# Altium PCB PCB1.PcbDoc (continued)
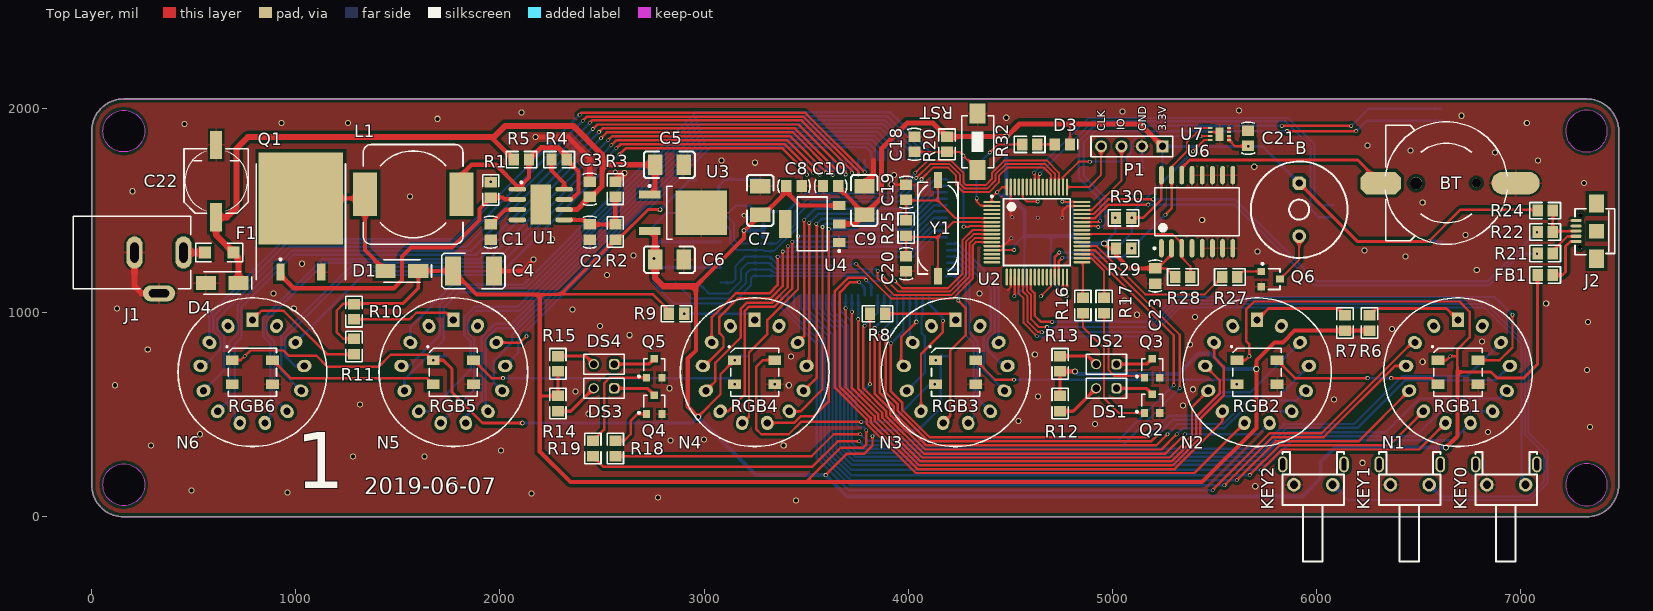
[diagram p0: Top Layer view]
## Nets (pads, with @x,y where several pads share a name; then routed paths per layer and width w, separated by ;. In a path a pad name is that pad's centre, name@x,y a point inside that pad or via, vN(x,y) a via of type N, cw(c..) or ccw(c..) an arc to the next point about the centre after c; other vN are vias at no path point) (continued)
HV_DIN2: R38.1 U2.9 U5.26 | length 1926
  Top Layer w10: v1(3875,1180) 3952,1103 4203,1103 4282,1182 4282,1347 4320.16,1385.16 U2.9
  Bottom Layer w10: R38.1 2937.6,1070 3130,1070 3205,1145 3205,1190 3227.6,1212.6 U5.26 3291.95,1211 3327,1211 3340,1198 3817,1198 3835,1180 v1(3875,1180)
HV_DIN3: R37.1 U2.10 U5.27 | length 1854.2
  Top Layer w10: v1(3850,1205) 3850,1168.19 3932.19,1086 4210.04,1086 4299,1174.96 4299,1339 4325.47,1365.47 U2.10
  Bottom Layer w10: R37.1 3022.6,1095 3120,1095 3180,1155 3180,1210 3214.09,1244.09 U5.27 3320.91,1244.09 3350,1215 3840,1215 v1(3850,1205)
HV_DIN4: R36.1 U2.11 U5.28 | length 1723
  Top Layer w10: v1(3745,1240) 3916,1069 4217.08,1069 4316,1167.92 4316,1331 4330.79,1345.79 U2.11
  Bottom Layer w10: R36.1 3137.6,1147.6 3155,1165 3155,1230 3200.59,1275.59 U5.28 3320.67,1275.59 3364.26,1232 3717,1232 3725,1240 v1(3745,1240)
HV_LE: R34.1 U2.53 U5.29 | length 2131.2
  Top Layer w10: v1(4065,1655) 4121,1711 4195.92,1711 4235,1671.92 4235,1626.92 4270.92,1591 4396,1591 4444,1639 4444,1670.5 4484.5,1711 4664.96,1711 4698.9,1677.06 U2.53
  Bottom Layer w10: R34.1 3112.6,1422.4 3130,1405 3130,1340 3162.91,1307.09 U5.29 3295.33,1302.11 3342.11,1302.11 3460,1420 3460,1480 3525,1545 3955,1545 v1(4065,1655)
HV_POL: R33.1 U2.51 U5.35 | length 2384.4
  Top Layer w10: v1(4035,1685) 4095,1745 4210,1745 4270,1685 4270,1640 4285,1625 4380,1625 4410,1655 4410,1684.58 4470.42,1745 4680,1745 4738.27,1686.73 U2.51
  Bottom Layer w10: R33.1 2816.23,1488.63 3118.63,1488.63 3155,1525 3225,1525 3253.94,1496.06 U5.35 3406.06,1496.06 3495,1585 3935,1585 v1(4035,1685)
KEY0: KEY0.1 U2.20 | length 3530.4
  Top Layer w10: U2.20 4541,1174.11 4541,1094 4565,1070 4565,950 v1(4630,885)
  Bottom Layer w10: v1(4630,885) 4631,884 5189,884 5330,1025 6825,1025 7005,845 7005,176.61 KEY0.1
KEY1: KEY1.1 U2.21 | length 4156.7
  Top Layer w10: U2.21 4561.1,1103.9 4585,1080 4585,955 4634,906 4654,906 v1(4655,905)
  Bottom Layer w10: v1(4655,905) 5185,905 5322,1042 6833,1042 7022,853 7022,402.76 7114.76,310 7114.76,174.76 7040,100 6609.17,100 KEY1.1
KEY2: KEY2.1 U2.22 | length 4654.2
  Top Layer w10: U2.22 4580.79,1108.25 4602,1087.04 4602,968 4640,930 v1(4680,930)
  Bottom Layer w10: v1(4680,930) 5185,930 5314,1059 6841,1059 7039,861 7039,411 7131.76,318.24 7131.76,166.76 7048,83 6153.73,83 KEY2.1
LED: R32.1 U2.2 | length 524.8
  Top Layer w10: v1(4335,1560) 4335,1545 4355.27,1524.73 4407.75,1524.73 U2.2 ; v1(4400,1785) 4440,1825 R32.1
  Bottom Layer w10: v1(4335,1560) 4335,1720 v1(4400,1785)
LED_RGB: RGB1.4 U2.23 | length 2991.7
  Top Layer w12: U2.23 4599.69,1173.75 4599.69,1114.8 4620,1094.5 4620,985 4650,955 v1(4705,955) ; RGB1.4 6897.72,767.72 6960,830 v1(6960,990)
  Bottom Layer w12: v1(4705,955) 5184.54,955 5306.54,1077 6873,1077 v1(6960,990)
NetB_2: B.2 Q6.3 | length 248.9
  Top Layer w10: Q6.3 5915,1258.74 B.2
NetBT_1: BT.1 U6.14 | length 1073.8
  Top Layer w15: U6.14 5340,1710 5378.41,1748.41 6201.59,1748.41 BT.1
NetC1_2: C1.2 U1.3 | length 160.6
  Top Layer w20: C1.2 2027.6,1505 U1.3
NetC2_2: C2.2 R2.2 R3.2 U1.5 | length 395.1
  Top Layer w20: U1.5 2417.4,1455 C2.2 R2.2 R3.2
NetD1_1: D1.1 L1.2 Q1.2 | length 739
  Top Layer w20: Q1.2 1318.78,1560 L1.2 1338.78,1306.22 D1.1
NetD2_2: D2.2 R31.2 U5.40 | length 308.9
  Bottom Layer w15: D2.2 3070.8,1620.79 R31.2 ; R31.2@3103.54,1653.54 U5.40
NetD3_1: D3.1 R32.2 | length 85.2
  Top Layer w10: R32.2 D3.1
NetDS1_1: DS1.1 Q2.3 | length 186.4
  Top Layer w15: DS1.1 5166.34,629.92 Q2.3
NetDS1_2: DS1.2 R12.2 | length 222.9
  Top Layer w15: R12.2 4808.15,517.6 DS1.2
NetDS2_1: DS2.1 Q3.3 | length 185.5
  Top Layer w15: DS2.1 5168.42,748.03 Q3.3
NetDS2_2: DS2.2 R13.2 | length 192.7
  Top Layer w15: R13.2 4881.1,787.4 DS2.2
NetDS3_1: DS3.1 Q4.3 | length 210
  Top Layer w15: DS3.1 2722.24,629.92 Q4.3
NetDS3_2: DS3.2 R14.1 | length 222.9
  Top Layer w15: R14.1 2347.52,517.6 DS3.2
NetDS4_1: DS4.1 Q5.3 | length 207.1
  Top Layer w15: DS4.1 2729.33,748.03 Q5.3
NetDS4_2: DS4.2 R15.2 | length 192.7
  Top Layer w15: R15.2 2420.47,787.4 DS4.2
NetF1_1: F1.1 J1.1 | length 105
  Top Layer w30: J1.1 F1.1
NetFB1_2: FB1.2 J2.1 | length 254.9
  Top Layer w15: FB1.2 7205,1185 7220,1200 7220,1325 7243.82,1348.82 J2.1
NetL1_1: L1.1 R4.2 R5.1 U1.1 U1.7 | length 1131.4
  Top Layer w20: L1.1 1811.22,1676.22 1860,1725 1980,1725 2085.51,1619.49 U1.1 2142.4,1661.89 R5.1 ; U1.7 2350,1555 2385,1590 2385,1692.4 R4.2
  Top Layer w25: R5.1 2202.4,1810 2285,1810 2327.4,1767.6 R4.2
NetN1_1: N1.1 R6.1 | length 469.8
  Top Layer w15: R6.1 6293.09,1020.49 6636.99,1020.49 N1.1
NetN2_1: N2.1 R7.1 | length 468.2
  Top Layer w15: N2.1 5764.59,1020.49 6106.91,1020.49 R7.1
NetN3_1: N3.1 R8.1 | length 357.5
  Top Layer w12: R8.1 4201.85,995 N3.1
NetN4_1: N4.1 R9.1 | length 358.2
  Bottom Layer w12: v1(2902.4,995) 3217.6,995 N4.1
NetN5_1: N5.1 R10.1 | length 514.8
  Top Layer w12: R10.1 1557.6,967.6 1590,1000 1736.22,1000 N5.1
NetN6_1: N6.1 R11.1 | length 604.4
  Top Layer w12: N6.1 832.83,1010 940,1010 1152.4,797.6 R11.1
NetQ1_1: Q1.1 R1.2 U1.2 | length 1488.5
  Top Layer w20: Q1.1 925,1185 990,1120 1480,1120 1520,1160 1520,1275 1565,1320 1765,1320 1900,1455 1900,1508.86 R1.2 1956.14,1565 2015,1565 2025,1555 U1.2
NetQ2_1: Q2.1 R16.2 | length 688.2
  Top Layer w10: R16.2 4855,930 4960,825 4960,580 5031.26,508.74 Q2.1
NetQ3_1: Q3.1 R17.2 | length 466.7
  Top Layer w10: R17.2 4960,860 4980,840 4980,720 5009.06,690.94 Q3.1@5148.74,690.94
NetQ4_1: Q4.1 R18.2 | length 246
  Top Layer w12: R18.2 2607.4,372.4 2640,405 2640,470 2673.74,503.74 Q4.1
NetQ5_1: Q5.1 R19.2 | length 524.6
  Top Layer w12: R19.2 2510,427.39 2510,654.13 2537.95,682.09 Q5.1
NetQ6_1: Q6.1 R27.2 | length 127.7
  Top Layer w10: R27.2 5639.8,1202.4 Q6.1
NetR4_1: R4.1 U1.8 | length 170.6
  Top Layer w20: R4.1 2252.6,1697.4 2314.49,1635.51 U1.8
NetR21_2: R21.2 U2.44 | length 2484.7
  Top Layer w12: U2.44 4915.77,1463.9 4981.87,1530 v1(5175,1530)
  Bottom Layer w12: v1(5175,1530) 5595,1530 5990,1135 6846.87,1135 7001.87,1290 v1(7080,1290)
NetR22_2: R22.2 U2.45 | length 2524.2
  Top Layer w12: U2.45 4908.58,1483.58 4980,1555 v1(5200,1555)
  Bottom Layer w12: v1(5200,1555) 5600,1555 6000,1155 6840,1155 v1(7080,1395)
NetR23_2: R23.2 U2.60 | length 133.3
  Top Layer w10: U2.60 4561.1,1563.9 4580,1545 v1(4635,1545)
NetR26_1: R26.1 U2.28 | length 114.8
  Top Layer w10: v1(4650,1080) 4698.9,1128.9 U2.28
NetRGB1_2: RGB1.2 RGB2.4 | length 836.3
  Top Layer w12: RGB2.4 5894.8,680 v1(6250,680) ; v1(6365,680) 6564.09,680 RGB1.2
  Bottom Layer w12: v1(6250,680) v1(6365,680)
NetRGB2_2: RGB2.2 RGB3.4 | length 1328.1
  Top Layer w12: RGB3.4 4426.43,672 v1(4518,672)
  Bottom Layer w12: v1(4518,672) 5588,672 v1(5610,650)
NetRGB3_2: RGB3.2 RGB4.4 | length 1396.8
  Top Layer w12: RGB4.4 3287.72,767.72 3255,735 3255,430 3280,405 3415,405 3475,465 v1(3770,465)
  Bottom Layer w12: v1(3770,465) 3920,465 4105,650 v1(4130,650)
NetRGB4_2: RGB4.2 RGB5.4 | length 1328.5
  Top Layer w12: RGB5.4 1957.8,680 v1(2015,680)
  Bottom Layer w12: v1(2015,680) 3119.21,680 v1(3149.61,649.61)
NetRGB5_2: RGB5.2 RGB6.4 | length 836.3
  Top Layer w12: RGB6.4 973.54,680 1642.83,680 RGB5.2
NX1-0: N1.12 U5.15 | length 4156
  Bottom Layer w12: U5.15 3661.42,1018.58 3724.41,955.59 3724.41,363.07 3754.48,333 5723,333 5845,455 6185,455 6420,690 6739.48,690 N1.12
NX1-1: N1.3 U5.24 | length 4165.4
  Top Layer w12: v1(5491.25,131.25) 5770,410 6025,410 6469.03,854.03 N1.3
  Bottom Layer w12: U5.24 3377.95,1022.05 3552.66,847.34 3552.66,287.34 3710,130 5490,130 v1(5491.25,131.25)
NX1-2: N1.4 U5.23 | length 4023.2
  Top Layer w12: v1(5549,155) 5784,390 6035,390 6384.51,739.51 N1.4
  Bottom Layer w12: U5.23 3409.45,1017.42 3571.66,855.21 3571.66,298.34 3715,155 v1(5549,155)
NX1-3: N1.5 U5.22 | length 3938.1
  Top Layer w12: v1(5610,180) 5800,370 6205.71,370 N1.5
  Bottom Layer w12: U5.22 3440.94,1024.06 3590.66,874.34 3590.66,306.21 3716.87,180 v1(5610,180)
NX1-4: N1.6 U5.21 | length 3916.4
  Top Layer w12: v1(5672.5,205) 5817.5,350 6356.09,350 N1.6
  Bottom Layer w12: U5.21 3472.44,1022.56 3610,885 3610,313.74 3718.74,205 v1(5672.5,205)
NX1-5: N1.7 U5.20 | length 3951.8
  Top Layer w12: v1(5730,230) 5830,330 6501.47,330 N1.7
  Bottom Layer w12: U5.20 3503.94,1017.93 3629,892.87 3629,321.61 3720.61,230 v1(5730,230)
NX1-6: N1.8 U5.19 | length 4023.3
  Bottom Layer w12: U5.19 3535.43,1024.57 3648,912 3648,332 3725,255 5760,255 5880,375 6668.97,375 N1.8
NX1-7: N1.9 U5.18 | length 4110
  Bottom Layer w12: U5.18 3566.93,1019.94 3667,919.87 3667,339.87 3731.87,275 5750,275 5870,395 6485,395 6607.12,517.12 N1.9
NX1-8: N1.10 U5.17 | length 4176
  Bottom Layer w12: U5.17 3598.43,1015.31 3686,927.74 3686,347.74 3738.74,295 5740,295 5860,415 6340,415 6505,580 6894.27,580 N1.10
NX1-9: N1.11 U5.16 | length 4196.6
  Bottom Layer w12: U5.16 3629.92,1010.69 3705,935.61 3705,355.61 3746.61,314 5730.87,314 5852.87,436 6201,436 6435,670 6877.44,670 N1.11
NX2-0: N2.12 U5.5 | length 2806.2
  Top Layer w12: v1(3915,850) 3915,615 3970,560 3970,525 4105,390 5170,390 v1(5185,405)
  Bottom Layer w12: v1(3915,850) 3976.38,911.38 U5.5 ; v1(5185,405) 5275,495 5418.13,495 5533.13,610 5675.23,610 N2.12
NX2-1: N2.3 U5.14 | length 2949
  Top Layer w12: v1(3692.91,1022.09) 3692.91,635.22 3835,493.13 3835,470.65 4052.65,253 5296.74,253 5430,386.26 5430,480 5545,595 5545,735 5498.06,781.94 N2.3
  Bottom Layer w12: v1(3692.91,1022.09) U5.14
NX2-2: N2.4 U5.13 | length 2775.7
  Top Layer w12: v1(3724.41,1005) 3724.41,630.59 3854,501 3854,478.52 4060.52,272 5288.87,272 5410,393.13 5410,490 5525,605 5525,669.13 N2.4
  Bottom Layer w12: v1(3724.41,1005) U5.13
NX2-3: N2.5 U5.12 | length 2541.6
  Top Layer w12: v1(3755.91,969.09) 3755.91,627.22 3873,510.13 3873,486.39 4068.39,291 5281,291 5390,400 5390,538.54 N2.5
  Bottom Layer w12: v1(3755.91,969.09) U5.12
NX2-4: N2.6 U5.11 | length 2854.8
  Top Layer w12: v1(3760,1150) 3715,1150 3665,1100 3665,636.26 3816,485.26 3816,462.78 4044.78,234 5304.61,234 5538.96,468.35 N2.6
  Bottom Layer w12: v1(3760,1150) 3787.4,1122.6 U5.11
NX2-5: N2.7 U5.10 | length 3037.6
  Top Layer w12: v1(3795,1160) 3783,1172 3707,1172 3641,1106 3641,633.39 3797,477.39 3797,454.91 4036.91,215 5402.22,215 N2.7
  Bottom Layer w12: v1(3795,1160) 3818.9,1136.1 U5.10
NX2-6: N2.8 U5.9 | length 2683.4
  Top Layer w12: v1(3786,936) 3780,930 3780,630 3892,518 3892,494.26 4076.26,310 5260,310 v1(5355,405)
  Bottom Layer w12: v1(3786,936) 3850.39,1000.39 U5.9 ; v1(5355,405) 5714.72,405 N2.8
NX2-7: N2.9 U5.8 | length 2750.6
  Top Layer w12: v1(3835,925) 3835,605 3911,529 3911,502.13 4083.13,330 5240,330 v1(5315,405)
  Bottom Layer w12: v1(3835,925) 3881.89,971.89 U5.8 ; v1(5315,405) 5345,435 5550,435 5632.12,517.12 N2.9
NX2-8: N2.10 U5.7 | length 2821.9
  Top Layer w12: v1(3860,900) 3860,610 3930,540 3930,510 4090,350 5215,350 v1(5270,405)
  Bottom Layer w12: v1(3860,900) 3913.39,953.39 U5.7 ; v1(5270,405) 5320,455 5543.13,455 5658.13,570 5900.02,570 N2.10
NX2-9: N2.11 U5.6 | length 2841.4
  Top Layer w12: v1(3890,880) 3890,610 3949,551 3949,519.13 4097.13,371 5191,371 v1(5225,405)
  Bottom Layer w12: v1(3890,880) 3944.88,934.88 U5.6 ; v1(5225,405) 5295,475 5425,475 5540,590 5813.19,590 N2.11
NX3-0: N3.12 U5.75 | length 620
  Bottom Layer w12: U5.75 4242.42,1338.58 4442.89,1138.11 N3.12
NX3-1: N3.3 U5.4 | length 237.3
  Bottom Layer w12: U5.4 4007.87,867.84 N3.3
NX3-2: N3.4 U5.3 | length 382.9
  Top Layer w12: N3.4 3965,752.76 3965,880 v4(4040,955)
  Bottom Layer w12: U5.3 4040,1085 v4(4040,955)
NX3-3: N3.5 U5.2 | length 512.4
  Bottom Layer w12: N3.5 4080,704.92 4080,885 4065,900 4065,982.9 4070.87,988.76 U5.2
NX3-4: N3.6 U5.1 | length 641
  Top Layer w12: N3.6 4062.58,797.58 4170,905 v1(4170,960)
  Bottom Layer w12: U5.1 4102.36,1042.64 4170,975 v1(4170,960)
NX3-5: N3.7 U5.80 | length 834
  Top Layer w12: N3.7 4205,494.16 4205,814 4281,890 4281,1024 v1(4245,1060)
  Bottom Layer w12: U5.80@4185,1176.14 U5.80 4228.9,1181.1 4245,1165 v1(4245,1060)
NX3-6: N3.8 U5.79 | length 851.7
  Bottom Layer w12: U5.79 4247.4,1212.6 4281,1179 4281,890 4321,850 4321,487.66 N3.8
NX3-7: N3.9 U5.78 | length 847.6
  Bottom Layer w12: U5.78 4245.91,1244.09 4300,1190 4300,900 4340,860 4340,579.1 N3.9
NX3-8: N3.10 U5.77 | length 835.1
  Bottom Layer w12: U5.77 4244.41,1275.59 4404.89,1115.11 4404.89,914.89 4370,880 4370,719.48 N3.10
NX3-9: N3.11 U5.76 | length 761.6
  Bottom Layer w12: U5.76 4242.91,1307.09 4423.89,1126.11 4423.89,903.89 4390,870 4390,815 4465.49,739.51 N3.11
NX4-0: N4.12 U5.65 | length 1396.2
  Top Layer w12: N4.12 3490,885.4 v1(3490,1455)
  Bottom Layer w12: v1(3490,1455) 3545,1510 3986.46,1510 4130,1653.54 U5.65
NX4-1: N4.3 U5.74 | length 1520.6
  Top Layer w12: N4.3 3037.43,977.43 3155,1095 3320,1095 3360,1135 v1(3360,1275)
  Bottom Layer w12: v1(3360,1275) 4025,1275 4120.08,1370.08 U5.74
NX4-2: N4.4 U5.73 | length 1685
  Top Layer w12: N4.4 3002.87,739.51 3095,831.64 3095,880 3075,900 3075,980 3165,1070 3325,1070 3385,1130 v1(3385,1300)
  Bottom Layer w12: v1(3385,1300) 4018.43,1300 4120,1401.57 U5.73
NX4-3: N4.5 U5.72 | length 1772.9
  Top Layer w12: N4.5 3055,664.17 3055,755 3180,880 3180,1020 3210,1050 3335,1050 3410,1125 v1(3410,1325)
  Bottom Layer w12: v1(3410,1325) 3412,1323 4013,1323 4123.07,1433.07 U5.72
NX4-4: N4.6 U5.71 | length 1879
  Top Layer w12: N4.6 3117.12,517.12 3199,599 3199,1009 3220,1030 3344,1030 3432,1118 v1(3432,1348)
  Bottom Layer w12: v1(3432,1348) 4008.43,1348 4125,1464.57 U5.71
NX4-5: N4.7 U5.70 | length 1810.3
  Top Layer w12: N4.7 3190.59,460.19 3220,489.61 3220,805 3310,895 3310,965 3460,1115 v1(3460,1375)
  Bottom Layer w12: v1(3460,1375) 4003.94,1375 4125,1496.06 U5.70
NX4-6: N4.8 U5.69 | length 1817.8
  Top Layer w12: N4.8 3440.19,460.19 3474,494 3539,494 3610,565 v1(3610,1410)
  Bottom Layer w12: v1(3610,1410) 4010,1410 4127.56,1527.56 U5.69
NX4-7: N4.9 U5.68 | length 1669.5
  Top Layer w12: N4.9 3472.12,517.12 3580,625 v1(3580,1420)
  Bottom Layer w12: v1(3580,1420) 3595,1435 4005,1435 4129.06,1559.06 U5.68
NX4-8: N4.10 U5.67 | length 1549.6
  Top Layer w12: N4.10 3552.66,683.27 3552.66,1432.34 v1(3550,1435)
  Bottom Layer w12: v1(3550,1435) 3575,1460 3999.45,1460 4130,1590.55 U5.67
NX4-9: N4.11 U5.66 | length 1460.4
  Top Layer w12: N4.11 3520,757.44 3515,762.44 v1(3515,1440)
  Bottom Layer w12: v1(3515,1440) 3560,1485 3992.95,1485 4130,1622.05 U5.66
NX5-0: N5.12 U5.55 | length 2294.2
  Top Layer w12: N5.12 2099.03,854.03 v1(2130,885)
  Bottom Layer w12: v1(2130,885) 2130,910 3030,1810 3795,1810 3818.9,1786.1 U5.55
NX5-1: N5.3 U5.64 | length 3174.9
  Bottom Layer w12: N5.3 1561.05,931.05 1768,1138 2116.17,1138 2959.17,1981 3914,1981 4102.36,1792.64 U5.64
NX5-2: N5.4 U5.63 | length 3259.2
  Bottom Layer w12: N5.4 1554.51,739.51 1706,891 1706,1041 1784,1119 2124.04,1119 2967.04,1962 3898,1962 4070.87,1789.13 U5.63
NX5-3: N5.5 U5.62 | length 3286.2
  Bottom Layer w12: N5.5 1532.38,672.38 1725,865 1725,1025 1800,1100 2131.91,1100 2974.91,1943 3887,1943 4039.37,1790.63 U5.62
NX5-4: N5.6 U5.61 | length 3279.9
  Bottom Layer w12: N5.6 1652.12,517.12 1856,721 1856,859 1825.32,889.68 1825.32,977.19 1878.13,1030 2088.78,1030 2982.78,1924 3876,1924 4007.87,1792.13 U5.61
NX5-5: N5.7 U5.60 | length 3200.4
  Bottom Layer w12: N5.7 1875,624.79 1875,870 1844.32,900.68 1844.32,969.32 1885,1010 2095.65,1010 2990.65,1905 3865,1905 3976.38,1793.62 U5.60
NX5-6: N5.8 U5.59 | length 2984.1
  Bottom Layer w12: N5.8 1832.9,492.9 1910,570 1910,880 1975,945 2057.52,945 2998.52,1886 3849,1886 3944.88,1790.12 U5.59
NX5-7: N5.9 U5.58 | length 2824.8
  Bottom Layer w12: N5.9 1930,528.47 1930,870 1985,925 2064.39,925 3006.39,1867 3833,1867 3913.39,1786.61 U5.58
NX5-8: N5.10 U5.57 | length 2611.1
  Bottom Layer w12: N5.10 1970,658.85 1970,765 2060,855 2060,893.74 3014.26,1848 3822,1848 3881.89,1788.11 U5.57
NX5-9: N5.11 U5.56 | length 2385.6
  Bottom Layer w12: N5.11 2090,803.82 2090,896.87 3022.13,1829 3807.87,1829 3850.39,1786.48 U5.56
NX6-0: N6.12 U5.45 | length 3032.1
  Top Layer w12: v1(2585,1775) 2615,1805 3385,1805 3503.94,1686.06 v1(3503.94,1676.06)
  Bottom Layer w12: N6.12 1328.97,1185 1995,1185 v1(2585,1775) ; v1(3503.94,1676.06) U5.45
NX6-1: N6.3 U5.54 | length 3940.2
  Top Layer w12: v1(2390,1970) 2400,1980 3493.74,1980 3503.74,1970 3505,1970 v1(3787.4,1687.6)
  Bottom Layer w12: N6.3 576.8,991.8 946,1361 1781,1361 v1(2390,1970) ; v1(3787.4,1687.6) U5.54
NX6-2: N6.4 U5.53 | length 4071.7
  Top Layer w12: v1(2405,1940) 2426,1961 3485.87,1961 3755.91,1690.96 v1(3755.91,1675.91)
  Bottom Layer w12: N6.4 550.61,739.51 630,818.91 630,878.13 595.8,912.33 595.8,980.8 957,1342 1807,1342 v1(2405,1940) ; v1(3755.91,1675.91) U5.53
NX6-3: N6.5 U5.52 | length 4097.1
  Top Layer w12: v1(2440,1930) 2452,1942 3478,1942 3724.41,1695.59 v1(3724.41,1685.59)
  Bottom Layer w12: N6.5 650,719.8 650,885 615,920 615,970 968,1323 1833,1323 v1(2440,1930) ; U5.52 v1(3724.41,1685.59) v1@3725,1685
NX6-4: N6.6 U5.51 | length 4087.5
  Top Layer w12: v1(2455,1900) 2477,1922 3463,1922 3692.91,1692.09 v1(3692.91,1677.09)
  Bottom Layer w12: N6.6 675,574.42 675,855.26 714.74,895 714.74,1037.87 980.87,1304 1859,1304 v1(2455,1900) ; v1(3692.91,1677.09) U5.51
NX6-5: N6.7 U5.50 | length 4035.5
  Top Layer w12: v1(2485,1885) 2503,1903 3444.83,1903 v1(3661.42,1686.42)
  Bottom Layer w12: N6.7 700,486.35 700,845 733.74,878.74 733.74,1028.74 990,1285 1885,1285 v1(2485,1885) ; v1(3661.42,1686.42) U5.50
NX6-6: N6.8 U5.49 | length 3874.1
  Top Layer w12: v1(2495,1855) 2524,1884 3436,1884 3629.92,1690.08 v1(3629.92,1675.08)
  Bottom Layer w12: N6.8 875,486.54 875,850 840,885 840,971.87 1131.13,1263 1903,1263 v1(2495,1855) ; v1(3629.92,1675.08) U5.49
NX6-7: N6.9 U5.48 | length 3736.5
  Top Layer w12: v1(2530,1845) 2550,1865 3420,1865 v1(3598.43,1686.57)
  Bottom Layer w12: N6.9 895.76,578.46 895.76,859.24 859,896 859,964 1139,1244 1929,1244 v1(2530,1845) ; v1(3598.43,1686.57) U5.48
NX6-8: N6.10 U5.47 | length 3491.9
  Top Layer w12: v1(2545,1820) 2571,1846 3405.55,1846 3566.93,1684.62 v1(3566.93,1676.93)
  Bottom Layer w12: N6.10 929.71,714.89 929.71,889.71 1265,1225 1950,1225 v1(2545,1820) ; v1(3566.93,1676.93) U5.47
NX6-9: N6.11 U5.46 | length 3305.2
  Top Layer w12: v1(2570,1805) 2590,1825 3395.43,1825 v1(3535.43,1685)
  Bottom Layer w12: N6.11 995.49,739.51 948.71,786.29 948.71,878.71 1274,1204 1969,1204 v1(2570,1805) ; v1(3535.43,1685) U5.46
OSC_IN: C19.2 R25.2 U2.5 Y1.2 | length 657.5
  Top Layer w10: R25.2 C19.2 3992.43,1550.17 4144.83,1550.17 ; Y1.2 4144.83,1550.17 ; U2.5 4231.1,1463.9 4144.83,1550.17
OSC_OUT: C20.2 R25.1 U2.6 Y1.1 | length 744.9
  Top Layer w10: C20.2 R25.1 3997.43,1370.17 4145.17,1370.17 ; Y1.1 4145.17,1370.17 ; U2.6 4219.21,1444.21 4145.17,1370.17
RESET: C18.1 R20.1 RST.1 U2.7 | length 839.6
  Top Layer w10: C18.1 R20.1 4252.4,1787.6 v1(4270,1770) RST.1 ; v1(4270.92,1421) 4296.47,1421 4300,1424.53 U2.7
  Bottom Layer w10: v1@4270,1773.84 v1(4270,1770) 4270.92,1769.08 v1(4270.92,1421)
SCL: R30.1 U2.29 U6.16 U7.4 | length 1457.1
  Top Layer w10: v1(5395,1790) 5395,1791.73 5448.74,1845.47 U7.4
  Top Layer w12: U2.29 4718.58,1273.58 v1(4740,1295) ; v1(5095,1465) 5150,1465 5240,1555 U6.16
  Bottom Layer w10: v1(5095,1465) 5095,1490 v1(5395,1790)
  Bottom Layer w12: v1(4740,1295) 5000,1295 5095,1390 v1(5095,1465)
SDA: R29.1 U2.30 U6.15 U7.1 | length 1235.8
  Top Layer w10: U6.15@5289.5,1674.13 U6.15 5290,1715 5365,1790 5365,1835 5434.53,1904.53 U7.1
  Top Layer w12: U2.30 4738.27,1253.27 v1(4755,1270) ; v1(5260,1480.63) 5290,1510.63 5290,1665.14 5289.5,1665.64 U6.15@5289.5,1674.13
  Bottom Layer w12: v1(4755,1270) 5049.37,1270 v1(5094.36,1314.99) v1(5260,1480.63)
SHT_ALERT: U2.50 U7.3 | length 881.3
  Top Layer w10: U2.50 4757.95,1662.95 4835,1740 v1(4890,1740) ; v1(5430,1865) 5478.58,1865 U7.3
  Bottom Layer w10: v1(4890,1740) 5050,1740 5090,1780 5090,1830 5125,1865 v1(5430,1865)
SWCLK: P1.4 U2.49 | length 332
  Top Layer w10: U2.49 4885.47,1615.47 4945,1675 P1.4
SWDIO: P1.3 U2.46 | length 420.3
  Top Layer w10: U2.46 4898.27,1503.27 5045,1650 P1.3
USB_D+: J2.3 R22.1 R24.1 | length 220.9
  Top Layer w12: R24.1 R22.1 7162.4,1400 J2.3
USB_D-: J2.2 R21.1 | length 156.1
  Top Layer w12: R21.1 7157.4,1302.4 7229.41,1374.41 J2.2
VCC3.3: B.1 C9.1 C10.1 C12.2 C13.2 C14.2 C15.2 C16.2 C17.1 C21.2 C23.1 D3.2 P1.1 R20.2 R24.2 R28.2 R29.2 R30.2 U2.1 U2.13 U2.19 U2.32 U2.48 U2.64 U4.2 U6.2 U7.5 U7.6 U8.12 | length 7887.8
  Top Layer w10: U2.13@4405.51,1307.4 v1(4520,1307.4) ; U2.1 4409.53,1564.53 v1(4435,1590) 4460.47,1615.47 U2.64 ; v1@4521.73,1081.73 U2.19 ; v1@4757.36,1542.64 U2.48 ; v1@4777.64,1082.64 U2.32 ; 4790,1925 4792.4,1922.6 D3.2 ; C23.1@5210.09,1217.4 5265.2,1217.4 R28.2 ; R24.2@7077.6,1505 R24.2
  Top Layer w12: C23.1 5222.4,1217.4 5290,1285 U6.2 ; U7.6 U7.5 5601.11,1815.63 v1(5665,1815.63) ; v1(6550,1350) 6705,1505 R24.2@7077.6,1505
  Top Layer w15: B.1 6199.92,1350 v1(6550,1350)
  Top Layer w20: C10.1 3657.4,1612.6 C9.1@3787.5,1482.5 ; v2@4480,1860 v2(4480,1862.4) ; v2(4960,1340) 4985,1315 R29.2 5017.6,1282.4 5082.6,1217.4 C23.1
  Top Layer w25: U4.2 3740,1435 C9.1 3870,1565 3870,1805 3995,1930 4120,1930 4187.6,1862.4 R20.2 v2(4480,1862.4) 4482.4,1862.4 4545,1925 4790,1925 5135,1925 P1.1
  Bottom Layer w10: C13.2 4570,1127.4 4570,1377.6 4570,1380 ; v1(4520,1307.4) 4520,1330 4568.8,1378.8 ; 4700,1375 4700,1155 v1(4775,1080) ; v1(4755,1545) 4770,1545 4810,1505 4810,1375 ; C17.1 5245,1717.6 P1.1
  Bottom Layer w12: v1(4435,1590) 4452.6,1572.4 4480,1572.4 ; v2(4960,1340) 5015,1395 v1(5015,1465)
  Bottom Layer w15: C14.2 C14.2@4776.3,1078.7 ; P1.1 5734.92,1815 B.1 ; v1(6550,1350) 6613.5,1350 U8.12
  Bottom Layer w20: v2(4480,1862.4) 4480,1572.4 C16.2 4527.6,1542.4 4570,1500 4570,1377.6 4572.6,1375 4700,1375 4810,1375 4845,1340 v2(4960,1340)
  other v1: 4520,1080
VCC5: C6.2 C7.1 C8.1 C11.1 C24.1 C25.1 C26.1 C27.1 C28.1 C29.1 FB1.1 R33.2 R34.2 R35.2 R36.2 R37.2 R38.2 R39.2 RGB1.1 RGB2.1 RGB3.1 RGB4.1 RGB5.1 RGB6.1 U3.3 U4.3 U5.31 U5.32 U5.33 | length 14273.8
  Top Layer w12: RGB6.1 730.32,767.72 v1(750,787.4) 777.6,815 940,815 965,790 1100,790 1155,735 1405,735 1465,795 1645.94,795 v1(1673.23,767.72) ; v2(2970,490) 3080.5,600.5 3080.5,698.61 RGB4.1 v1(3150,768.11) ; v1(3595,205) 3700,310 3785,310 3825,350 v1(3825,395) ; RGB2.1 5651.57,767.72 v1(5671.26,787.4) 5671.26,844.49 5655,860.75 5655,1015 5695,1055 6700,1055 6750,1005 6750,880 6690,820 6690,790 ; RGB1.1 6635.83,767.72 v1(6655.51,787.4) 6687.4,787.4 6690,790 ; 6690,710 6690,790
  Top Layer w15: v1(1673.23,767.72) 1722.28,767.72 1765,725 1765,610 1915,460 v3(2110,460) ; 6690,710 6855,710 6885,680 7015,680 7082.6,747.6 FB1.1
  Top Layer w20: v2(2970,490) 2920,540 2920,775 2960,815 2960,1130 3195,1365 v3(3195,1402.6) 3197.6,1402.6 C7.1 ; C8.1 C8.1@3402.6,1592.6 ; U4.3 3469.65,1525.55 C8.1@3402.6,1592.6 ; v2(6635,340) 6690,395 6690,710 ; C7.1 C7.1@3290,1480 ; C7.1 C7.1@3290,1480 ; C7.1@3290,1480 C8.1@3402.6,1592.6
  Top Layer w30: U3.3 2760,1373.55 C6.2 2760,1170 2800,1130 2960,1130
  Bottom Layer w12: v1(1673.23,767.72) 1692.91,787.4 C26.1 ; v1@3149.61,767.72 v1(3150,768.11) 3169.29,787.4 C27.1 ; v1(3825,395) 3855,425 4050,425 4160,535 4160,741.57 v1(4133.86,767.72) 4153.54,787.4 C28.1
  Bottom Layer w15: v3(2110,460) 2940,460 v2(2970,490) ; R36.2 R37.2 R38.2 R39.2 2755,1227.4 v3(2755,1265) 2755,1342.6 R33.2 R35.2 R34.2
  Bottom Layer w20: v2(2970,490) 3255,205 v1(3595,205) 3700,100 5930,100 6020,190 6020,270 6090,340 v2(6635,340) ; v3(3195,1402.6) U5.32@3289.33,1402.6 ; U5.31 U5.32 U5.33
VCC12: C3.2 C5.2 C22.1 D4.2 F1.2 R5.2 U1.6 U3.1 | length 3646.7
  Top Layer w25: 1957.6,1860 R5.2 ; U1.6 2377.4,1505 C3.2 2447.89,1567.6 2500,1619.71 2500,1740 ; 2500,1725 C5.2 2760,1606.45 U3.1
  Top Layer w30: D4.2 720,1270 F1.2 610,1380 C22.1 662.83,1467.83 710,1515 710,1805 765,1860 1957.6,1860 1970,1860 2025,1915 2360,1915 2500,1775 2500,1725
VH: C4.1 D1.2 R2.1 R6.2 R7.2 R8.2 R9.2 R10.2 R11.2 R12.1 R13.1 R14.2 R15.1 R31.1 | length 10933.5
  Top Layer w12: R11.2 1232.6,872.4 1200,905 1200,1010 1234.38,1044.38 R10.2@1284.99,1044.38 ; 2297.4,1090 2750,1090 2827.6,1012.4 R9.2 ; 3500,170 3668.74,338.74 3778.74,338.74 3795,355 v1(3795,425) ; v1(3812.6,650) R8.2
  Top Layer w15: R10.2@1284.99,1044.38 1524.38,1044.38 1600,1120 D1.2 ; 2195,1090 2297.4,1090 ; 2197.6,592.4 R14.2 R15.1 ; 2400,1192.6 2297.4,1090 ; v3(2785,1505) 2725,1505 2577.6,1357.6 R2.1 2297.4,1090 ; R12.1 R13.1
  Top Layer w20: D1.2 C4.1 1885,1090 2195,1090 2195,320 2345,170 5440,170 5705,435 v2(5705,725) 5705,765 5795,855 5835,855 5892.6,912.6 R7.2 R6.2 ; R13.1 v2(4817.6,712.6)
  Bottom Layer w12: v1(3795,425) 3780,440 3760,440 3745,455 3745,582.4 v1(3812.6,650)
  Bottom Layer w15: v3(2785,1505) 2930,1650 R31.1
  Bottom Layer w20: v2(4817.6,712.6) 4830.2,700 5322.79,700 5422.79,800 5480,800 5555,725 v2(5705,725)
pads on no net: BT.0 J2.0 J2.4 J2.6 J2.7 J2.8 KEY0.3 KEY0.4 KEY1.3 KEY1.4 KEY2.3 KEY2.4 N1.2 N1.13 N2.2 N2.13 N3.2 N3.13 N4.2 N4.13 N5.2 N5.13 N6.2 N6.13 RGB6.2 U1.9 U2.3 U2.4 U2.14 U2.15 U2.16 U2.17 U2.24 U2.25 U2.26 U2.27 U2.38 U2.39 U2.41 U2.54 U2.55 U2.58 U2.59 U2.61 U2.62 U4.4 U5.36 U5.37 U5.38 U5.39 U5.41 U5.42 U5.43 U5.44 U6.1 U6.4 U8.3 U8.4 U8.5 U8.6 U8.7 U8.8 U8.9 U8.10 U8.11 U8.14 U8.15 U8.16 U8.19 U8.20 U8.21 U8.22 U8.23 U8.24 U8.25 U8.26

## Polygon pours and split planes (outlines as drawn)
GND on Top Layer "Top Layer-No Net" (solid, remove dead copper, pour order 0): -130,1930 55,2115 285,2115 7375,2115 7550,1940 7550,75 7400,-75 45,-75 -130,100 -130,1930
GND on Bottom Layer "Top Layer-No Net" (solid, remove dead copper, pour order 4): -130,1930 55,2115 285,2115 7375,2115 7550,1940 7550,75 7400,-75 45,-75 -130,100 -130,1930

## Keep-outs
Keep-Out Layer:
  the board outline again, w7.87

## Silkscreen, mask and mechanical layers (free items; w line width, h text height)
Top Overlay:
  text "IO" at 5060,1895 h39.37 r90
  text "CLK" at 4965,1890 h39.37 r90
  text "GND" at 5165,1890 h39.37 r90
  text "3.3V" at 5265,1890 h39.37 r90
  text "2019-06-07" at 1335,85 h137.8
  text "1" at 1000,50 h472.44
Mechanical 1:
  circle w7.87: c157.48,157.48 r102.36
  circle w7.87: c157.48,1889.76 r102.36
  circle w7.87: c7322.83,1889.76 r102.36
  circle w7.87: c7322.83,157.48 r102.36